# KiCad board neotron-pico.kicad_pcb (continued)
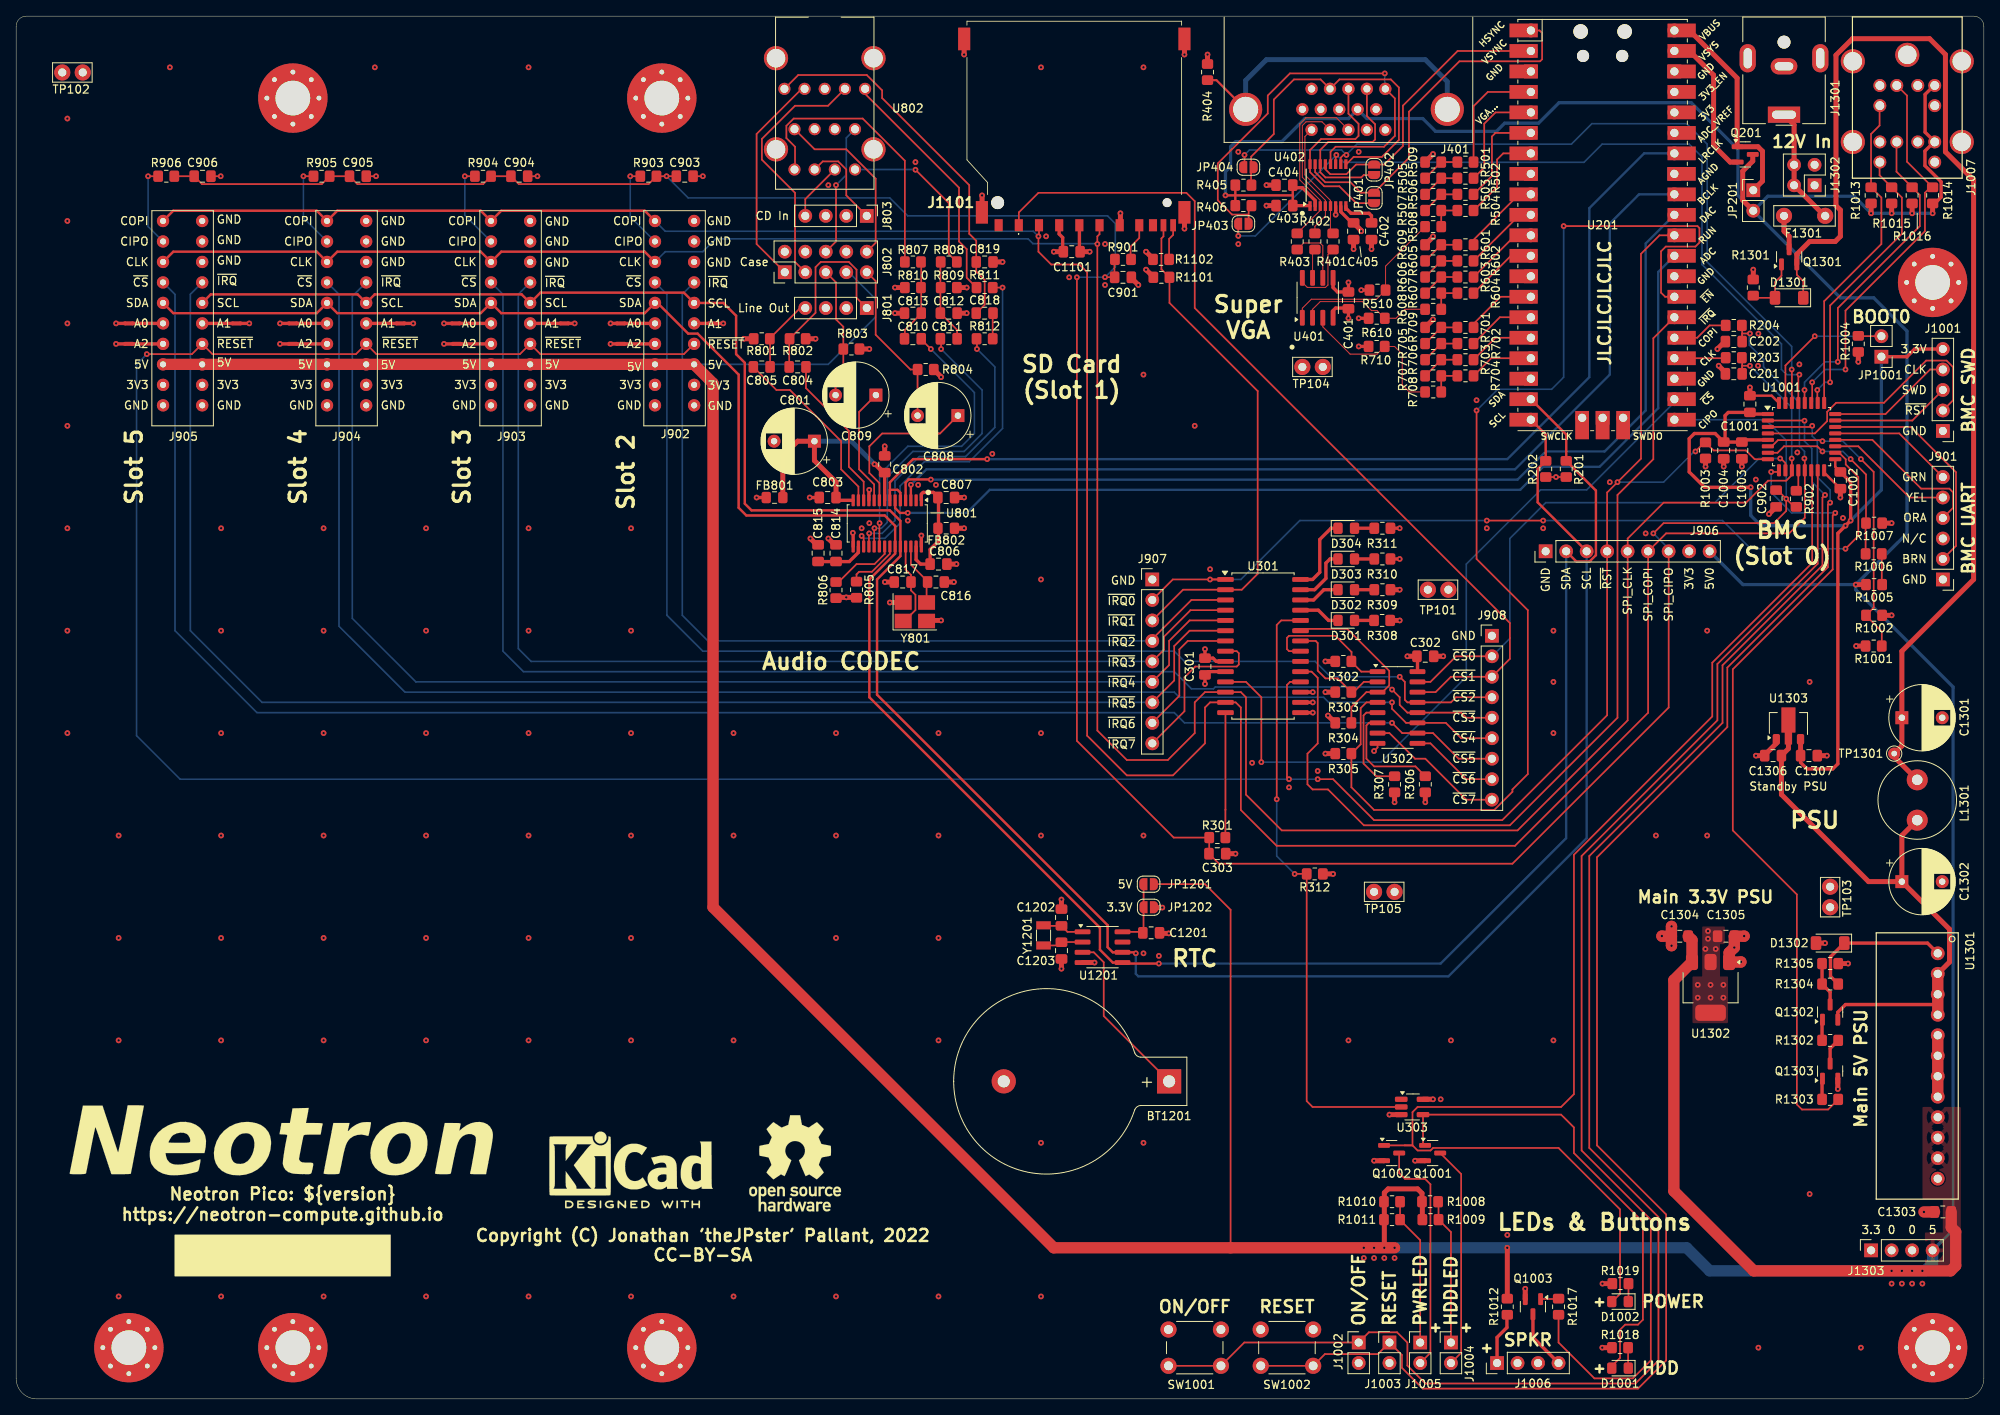
[diagram p0: board, top side]
## Routing (per net, layer and track width the routed paths; a pad name or vN(x,y) marks a point on that pad's centre or on a via; arc(x,y) is an arc through that point) (continued)
+5V: length 822.7
  Top w0.203: 140.98,63.82 147.32,63.82 150.5,60.64 150.5,18.73
  Top w0.293: v1(149.86,149.22) 158.2,149.22 ; 151.08,149.95 R406.1 ; 158.2,150.18 C403.2
  Top w0.406: C403.2 160.28,147.95 U402.1 ; 237.72,162.9 236.56,161.75 236.56,157.06 237.72,155.9 236.54,154.72 236.54,152.91 238.55,150.9 238.55,149.01 237.49,147.95 v1(237.49,147) ; U402.2 160.97,148.59 159.38,150.18 158.2,150.18
  Top w0.61: R1008.1 174.21,25.5 173.67,26.03 170.02,26.03 169.54,25.56 v1(169.54,18.73) ; R1009.1 174.26,24.4 ; JP201.2 213.96,148.63 213.96,152.24 215.2,153.48 Q201.3 ; v1(232.41,147) R1015.1 ; v1(229.87,147) R1013.1 ; v1(227.97,100.96) R1005.1 ; v1(237.49,147) R1014.1 ; v1(234.95,147) R1016.1 ; v1(184.78,18.73) R1012.2
  Top w1.397: v1(170.81,18.73) 128.59,18.73 86.36,60.96 86.36,125.93 J902.16 J905.15 ; C1303.1 239.8,21.27 240.35,20.72 240.35,16.51 239.71,15.88 215.32,15.88 205.42,25.77 205.42,51.92 U1302.3 207.67,56.89 C1304.1
  Bottom w0.203: 103.17,139.7 106.51,136.36 106.51,134.15 100.63,128.27 J902.16
  Bottom w0.406: JP201.2 213.36,149.22 213.36,154.94 207.58,160.72 191.2,160.72 188.66,158.18 184.45,158.18 183.44,157.16 175.89,157.16 174.31,158.75 167.39,158.75 J401.9 165.1,158.75 159.7,158.75 156.84,155.89 151.13,155.89 150.5,155.26 150.5,152.81 149.86,152.17 v1(149.86,149.22) ; JP201.2 217.06,149.12 227.75,149.12 v1(229.87,147) v1(237.49,147) ; JP201.2 226.06,136.52 230.19,136.52 234.31,132.4 234.31,107.31 v1(227.97,100.96) ; J906.9 213.98,100.96 v1(227.97,100.96) ; v1(227.97,100.96) 227.97,100.33 240.03,88.27 240.03,20.95 J1303.4
  Bottom w1.397: J1303.4 237.49,16.83 236.54,15.88 v1(236.22,15.88) v1(234.95,15.88) v1(233.68,15.88) v1(232.41,15.88) 209.87,15.88 207.01,18.73 166.69,18.73
  vias: v1(167,18.73) v1(168.28,18.73)
/Audio/3V3_ANALOG: length 35
  Top w0.406: U801.8 107.62,114.62 v1(106.36,115.89) 106.59,115.89 C802.1 ; U801.14 101.95,111.41
  Top w0.61: FB801.1 95,116.91 96.84,118.74 C801.1 98.92,116.34 101.6,113.66 C803.1
  Bottom w0.61: v1(106.36,115.89) 103.5,118.74 C801.1
/Audio/3V3_DIGITAL: length 14.6
  Top w0.406: 114.3,111.27 114.3,106.36 113.26,105.32 C806.1 112.08,103.5 111.53,104.06 U801.27 ; 113.98,112.08 113.66,112.39 112.39,112.39 112.17,112.17 U801.1
GND: length 148.4
  Top w0.203: 43.35,151.6 v1(44.6,151.6) ; 168.7,81.28 168.7,80.76 v1(168.28,80.33) ; C904.2 v1(64.6,151.6) ; C903.2 v1(85.1,151.6) ; C906.2 v1(25.35,151.6)
  Top w0.293: 224.05,114.87 C1002.1 ; 218.45,123.48 217.55,124.39 C1001.1
  Top w0.406: C401.2 v1(165.1,138.43) ; J1101.3 129.25,144.43 129.69,144 129.69,142.24 ; v1(160.68,87.63) U301.17 ; v1(28.89,133.35) NT908.2 ; v1(163.52,146.83) 163.51,146.83 U402.6 ; U801.15 103.72,107.34 v1(103.69,107.38) ; 147.6,90.04 147.72,90.17 U301.10 ; v1(105.72,112.71) 105.67,112.67 U801.11 ; 99.42,111.76 v1(98.34,111.76) ; 165.2,137.25 163.75,137.25 163.19,137.79 U401.5 ; U301.15 v1(160.68,85.09) ; v1(160.68,86.36) U301.16 ; v1(53.02,130.81) NT910.2 ; NT907.2 v1(49.21,133.35) ; NT901.2 v1(73.66,133.35) ; R610.2 v1(166.37,133.98) ; NT909.2 v1(73.66,130.81) ; v1(32.7,133.35) NT903.2 ; R510.2 v1(166.69,137.48) ; R710.2 v1(166.37,130.49) ; 112.17,106.9 U801.28 ; 147.32,89.53 v1(147.32,88.65)
  Top w0.61: v1(105.73,130.18) R803.2 ; 104.09,99.38 v1(102.87,99.38) 101.69,99.38 ; v1(107.63,118.11) 107.63,116.92 ; v1(142.84,57.72) 141.76,57.72 ; R804.1 114.62,126.73 v1(114.62,126.68) ; R609.2 175.58,144.08 v1(175.58,144.14) ; v1(90.17,131.44) R801.2 ; v1(196.56,6.35) R1018.2 ; 216.68,79.84 218.12,81.28 218.12,81.91 ; 101.43,105.9 v1(100.65,106.68) ; v1(129.53,53.34) 129.53,54.54 ; v1(117.79,137.79) R809.2 ; v1(144.78,145.1) 144.78,147.12 ; v1(151.1,67.6) C303.2 ; v1(108.9,134.62) C813.1 ; v1(175.58,133.85) 175.58,133.83 R709.2 ; v1(210.98,128.1) 211.81,127.27 ; R509.2 175.58,154.33 v1(175.58,154.35) ; v1(173.35,29.53) 174.59,29.53 Q1001.2 ; v1(226.06,111.76) C1002.1 ; 112.9,96.52 v1(114.62,96.52) ; v1(154.94,147.95) C403.1 ; v1(225.74,38.42) 225.74,39.7 Q1303.2 ; v1(215.26,140.02) R1301.2 ; v1(139.06,138.11) 138.17,139 ; v1(170.18,35.24) 171.64,35.24 ; v1(187.01,13.65) 187.01,12.37 Q1003.2 ; 99.21,105.9 v1(98.43,106.68) ; v1(232.41,97.16) R1002.2 ; v1(167.96,142.56) C402.1 ; v1(209.35,115.6) R1003.2 ; v1(119.7,149.22) 119.7,147.14 ; v1(217.21,109.71) C902.2 ; v1(147.64,166.69) R404.1 ; v1(117.47,111.76) C807.2 ; v1(154.94,150.5) C404.1 ; v1(210.82,130.18) 211.75,131.1 ; v1(176.85,92.07) C302.2 ; v1(116.2,101.28) C816.1 ; v1(170.81,73.98) R307.2 ; v1(99.06,131.44) R802.1 ; v1(133.64,54.1) U1201.4 ; v1(117.79,134.62) C812.1 ; v1(165.73,142.56) C405.1 ; C1307.1 v1(224.38,79.75) ; v1(116.52,103.5) C806.2 ; v1(108.9,137.79) R810.1 ; v1(228.28,128.59) R1004.2 ; v1(144.78,166.69) 144.78,168.62 ; v1(214.85,125.41) C1001.1 ; v1(213.85,115.6) C1003.2 ; v1(136.84,147) 136.84,145.61 ; v1(168.28,29.53) 169.51,29.53 Q1002.2 ; v1(232.41,108.58) R1007.2 ; v1(117.47,166.69) 117.47,168.62 ; v1(108.27,98.74) Y801.4 ; v1(122.24,140.97) C819.1 ; v1(196.58,14.29) R1019.2 ; v1(227.01,53.97) R1305.2 ; v1(128.59,142.24) C1101.1 ; v1(129.53,61.91) 129.53,60.73 ; v1(211.6,115.6) C1004.1 ; v1(215.59,79.75) C1306.1 ; v1(224.16,56.51) D1302.2 ; v1(107.65,101.28) C817.2
  Top w1.397: 238.12,45.09 238.12,37.47 ; v1(213.74,54.19) 213.72,54.17 U1302.1 212.27,55.32 v1(212.91,55.97) C1305.2 214.12,57.37 v1(214.14,57.39) ; C1304.2 205.12,58.57 v1(205.14,58.59) ; C1304.2 205.12,56.2 v1(205.14,56.19) ; C1304.2 203.96,57.37 v1(203.94,57.39) ; C1303.2 v1(236.41,23.18)
  vias: v1(6.35,158.75) v1(6.35,146.05) v1(6.35,133.35) v1(6.35,120.65) v1(6.35,107.95) v1(6.35,95.25) v1(6.35,82.55) v1(12.7,69.85) v1(12.7,57.15) v1(12.7,44.45) v1(12.7,12.7) v1(19.05,165.1) v1(25.4,107.95) v1(25.4,95.25) v1(25.4,82.55) v1(25.4,69.85) v1(25.4,57.15) v1(25.4,44.45) v1(25.4,12.7) v1(38.1,107.95) v1(38.1,95.25) v1(38.1,82.55) v1(38.1,69.85) v1(38.1,57.15) v1(38.1,44.45) v1(38.1,12.7) v1(44.45,165.1) v1(50.8,107.95) v1(50.8,95.25) v1(50.8,82.55) v1(50.8,69.85) v1(50.8,57.15) v1(50.8,44.45) v1(50.8,12.7) v1(63.5,165.1) v1(63.5,107.95) v1(63.5,95.25) v1(63.5,82.55) v1(63.5,69.85) v1(63.5,57.15) v1(63.5,44.45) v1(63.5,12.7) v1(76.2,107.95) v1(76.2,95.25) v1(76.2,82.55) v1(76.2,69.85) v1(76.2,57.15) v1(76.2,44.45) v1(76.2,12.7) v1(88.9,82.55) v1(88.9,69.85) v1(88.9,44.45) v1(88.9,12.7) v1(100.65,150.5) v1(101.6,82.55) v1(101.6,69.85) v1(101.6,57.15) v1(101.6,12.7) v1(104.78,107.95) v1(105.73,108.58) v1(110.49,108.9) v1(111.44,153.35) v1(111.78,113.33) v1(112.17,107.05) v1(113.98,113.33) v1(114.3,82.55) v1(114.3,69.85) v1(114.3,57.15) v1(114.3,44.45) v1(114.3,12.7) v1(120.97,117.18) v1(127,165.1) v1(127,101.6) v1(127,82.55) v1(127,69.85) v1(127,31.75) v1(127,12.7) v1(127.63,144.14) v1(130.49,139.06) v1(134.94,143.19) v1(134.94,138.11) v1(139.7,165.1) v1(139.7,127) v1(139.7,69.85) v1(139.7,55.25) v1(139.7,31.75) v1(141.6,54.93) v1(146.05,120.65) v1(147.95,102.87) v1(151.45,154.62) v1(151.45,143.19) v1(153.16,78.87) v1(157.73,75.82) v1(161.29,77.85) v1(165.1,44.45) v1(166.37,154.62) v1(167,17.46) v1(168.28,17.46) v1(169.54,17.46) v1(170.81,17.46) v1(176.53,37.15) v1(177.8,44.45) v1(180.97,123.82) v1(182.25,107.95) v1(184.78,20.32) v1(189.23,107.95) v1(190.5,95.25) v1(190.5,88.9) v1(190.5,82.55) v1(190.5,44.45) v1(197.48,113.66) v1(201.93,107.31) v1(203.2,69.85) v1(209.55,95.25) v1(209.55,69.85) v1(215.58,113.98) v1(215.85,128.1) v1(215.9,132.08) v1(215.9,6.35) v1(220.73,117.35) v1(220.98,128.27) v1(222.25,88.9) v1(222.25,25.4) v1(226.38,109.22) v1(228.6,6.35) v1(232.41,14.29) v1(233.68,14.29) v1(234.95,14.29) v1(236.22,14.29)
/Audio/AUDIO_ADC_DATA: length 120.9
  Top w0.293: U801.6 108.92,110.46 109.53,109.85 v1(110.49,109.85)
  Bottom w0.293: U201.29 203.49,139.73 203.49,122.84 196.22,115.57 189.23,115.57 186.37,112.71 120.65,112.71 117.79,109.85 v1(110.49,109.85)
/Audio/AUDIO_ADC_LR: length 132.3
  Top w0.293: 108.28,111.41 108.28,113.65 111.15,116.52 v1(120.33,116.52) ; 108.27,111.42 108.27,112.71 109.22,112.71 109.57,112.36 U801.5
  Bottom w0.293: U201.34 201.74,154.43 194.94,147.64 194.94,126.68 184.78,116.52 v1(120.33,116.52)
/Audio/AUDIO_BIT_CLK: length 122.4
  Top w0.293: U801.3 110.88,113.34 v1(110.88,113.35)
  Bottom w0.293: v1(110.88,113.35) 112.78,115.25 185.74,115.25 197.48,127 197.48,145.73 201.1,149.35 U201.32
/Audio/AUDIO_DAC_DAT: length 123.4
  Top w0.293: U801.4 110.22,113.62 110.61,114 113.33,114 v1(113.35,113.98)
  Bottom w0.293: U201.31 201.93,143.26 201.93,122.55 196.85,117.47 189.55,117.47 186.06,113.98 v1(113.35,113.98)
/Audio/CDInL: length 11.5
  Top w0.203: U802.34 99.96,153.44 101.87,153.44 102.87,152.44 102.87,149.22 J803.1
/Audio/CDInR: length 7.3
  Top w0.203: J803.4 97.79,148.77 U802.33
/Audio/FrontHPL: length 20.9
  Top w0.203: 111.7,127.63 C808.2 ; J802.9 106.51,138.6 106.51,131.94 110.82,127.63 R804.2
/Audio/FrontHPR: length 16.5
  Top w0.203: J802.5 101.6,138.43 101.6,133.84 102.5,132.93 R803.1 102.5,128.22 101.54,127.26 C809.2
/Audio/FrontMicAudio: length 26.5
  Top w0.203: J802.1 91.76,143.19 91.76,156.84 97.35,162.43
/Audio/FrontMicBias: length 31.6
  Top w0.203: J802.3 96.52,140.97 96.52,149.54 92.41,153.65 92.41,156.23 96.52,160.34 100.61,160.34 U802.3
/Audio/LHpOut: length 19.8
  Top w0.203: U801.9 106.97,113.55 105.73,114.8 105.73,118.11 107.31,119.7 114.48,119.7 C808.1
/Audio/LineOutL: length 24.7
  Top w0.203: R802.2 99.06,134.67 99.06,140.32 99.71,140.97 103.19,140.97 104.14,140.02 104.14,136.52 J801.1 ; C804.2 95.8,131.41
/Audio/LineOutR: length 8.8
  Top w0.203: 93.39,131.49 97.16,135.25 ; C805.1 93.43,131.41
/Audio/LLineIn: length 37.1
  Top w0.203: U801.20 106.97,108.56 v1(107,108.58) ; v1(113.35,130.18) 112.2,131.32
  Bottom w0.203: v1(113.35,130.18) 118.75,124.78 118.75,119.7 117.16,118.11 110.49,118.11 107,114.62 v1(107,108.58)
/Audio/LOut: length 19.5
  Top w0.203: 105.03,111.41 105.03,113.73 103.19,115.57 103.19,120.02 97.88,125.33 97.88,127.95
/Audio/MicBias: length 46
  Top w0.203: v1(122.24,137.79) R811.2 ; 105.03,105.69 105.03,106.75 v1(104.78,107)
  Bottom w0.203: v1(122.24,137.79) 122.24,120.33 118.11,116.2 112.55,116.2 109.54,113.19 109.54,108.58 107.66,106.71 105.07,106.71 v1(104.78,107)
/Audio/MicIn: length 37.4
  Top w0.203: v1(119.06,130.18) 119.06,131.4 ; v1(105.72,107.31) 105.67,107.27 U801.18
  Bottom w0.203: v1(119.06,130.18) 121.28,127.95 121.28,120.47 117.66,116.84 111.92,116.84 108.9,113.82 108.9,108.9 107.31,107.31 v1(105.72,107.31)
/Audio/RearHPL: length 22.1
  Top w0.203: U802.25 98.95,154.94 102.87,154.94 106.51,151.3 106.51,143.34 J802.10
/Audio/RearHPR: length 16.7
  Top w0.203: J802.6 101.6,143.51 v1(101.6,150.5)
  Bottom w0.203: v1(101.6,150.5) 102.87,151.76 102.87,156.35 U802.22
/Audio/RearInL: length 35.6
  Top w0.203: 96.52,152.5 96.52,155.26 95.45,156.33 95.45,157.85 96.35,158.75 104.91,158.75 110.12,153.53 R807.1
/Audio/RearInR: length 21.1
  Top w0.203: R808.1 115.57,141.97 115.57,148.27 v1(111.44,152.4)
  Bottom w0.203: U802.32 111.41,152.43 v1(111.44,152.4)
/Audio/RearMicAudio: length 46.9
  Top w0.203: C818.1 120.01,135.66 120.01,138.75 118.98,139.78 C819.2 118.98,143.59 118.11,144.46 118.11,150.5 107.31,161.29 107.31,162.24 105.41,164.15 96.92,164.15 U802.5
/Audio/RearMicBias: length 29.7
  Top w0.203: R811.1 117.79,139.02 117.79,142.56 116.84,143.51 116.84,150.18 105.2,161.81
/Audio/RHpOut: length 14.7
  Top w0.203: U801.10 106.32,113.38 104.46,115.25 104.46,122.37 C809.1
/Audio/RLineIn: length 37.5
  Top w0.203: U801.19 106.32,107.91 v1(106.36,107.95) ; v1(114.62,130.18) 114.62,131.36
  Bottom w0.203: v1(114.62,130.18) 119.7,125.09 119.7,119.7 117.47,117.47 111.12,117.47 107.95,114.3 107.95,108.68 107.22,107.95 v1(106.36,107.95)
/Audio/ROut: length 22.9
  Top w0.203: C805.2 94.21,125.09 95.88,125.09 102.24,118.74 102.24,115.25 104.38,113.11 U801.13
/Audio/VMID: length 6.2
  Top w0.406: C815.1 103.24,103.82 104.38,104.96 U801.16
/BLUE0: length 8.5
  Top w0.203: U201.14 183.96,136.65 180.6,133.29
/BLUE1: length 8.5
  Top w0.203: R702.1 183.86,134.11 U201.15
/BLUE2: length 8.2
  Top w0.203: R703.1 183.32,131.57 U201.16
/BLUE3: length 8
  Top w0.203: U201.17 182.78,129.03 R704.1
/GREEN0: length 8.6
  Top w0.203: 186.24,149.35 180.6,143.71 R601.1
/GREEN1: length 8.1
  Top w0.203: R602.1 186.31,146.81
/GREEN2: length 7.3
  Top w0.203: R603.1 185.77,144.27
/GREEN3: length 6.6
  Top w0.203: R604.1 185.23,141.73
/IO Expander/CS_SEL0: length 16.2
  Top w0.203: 165.48,91.46 165.48,92.61 163.47,94.61 157.73,94.61 157.48,94.36 157.48,92.96 157.73,92.71 U301.21 ; 165.42,91.44 166.69,90.17 167.85,90.17
/IO Expander/CS_SEL1: length 14.8
  Top w0.203: 168.7,88.9 167,88.9 165.83,87.72 ; 158.67,93.98 161.04,93.98 161.29,93.73 161.29,90.3 162.26,89.33 163.76,89.33 R303.2
/IO Expander/CS_SEL2: length 22.1
  Top w0.203: 169.32,87.63 170.15,88.47 170.15,90.27 164.95,95.48 158.45,95.48 ; R304.2 165.47,85.77 167.32,87.63 167.96,87.63
/IO Expander/E2: length 12.3
  Top w0.203: 168.7,85.09 167.32,85.09 166.97,84.73 166.97,78.78 168.54,77.2 R307.1
/IO Expander/E3: length 13.1
  Top w0.203: 167.96,83.82 167.64,83.82 167.32,83.5 167.32,79.38 168.28,78.42 173.4,78.42 R306.2
/IO Expander/HDD_LED: length 58.9
  Top w0.203: Q1001.1 174.34,31.68 U303.4 191.45,35.25 193.04,33.66 193.04,30.48 201.59,21.93 201.59,9.82 200.98,9.21 199.39,9.21 198.75,8.57 198.75,5.08 197.73,4.06
/IO Expander/~{CS0}: length 65.5
  Top w0.203: U1001.10 219.25,116.03 218.68,116.6 v1(218.6,116.6) ; U302.15 175.26,88.9 178.44,92.07 J908.2
  Bottom w0.203: J908.2 185.1,94.3 185.1,106.68 189.55,111.12 210.5,111.12 215.98,116.6 v1(218.6,116.6)
/IO Expander/~{CS1}: length 110.9
  Top w0.203: J1101.1 124.25,147.11 126.68,149.54 145.01,149.54 146.05,148.51 146.05,135.25 185.1,96.2 185.1,91.76 J908.3 177.8,89.53 175.89,87.63 U302.14
/IO Expander/~{CS2}: length 150.2
  Top w0.203: J908.4 178.44,86.99 177.8,86.36 U302.13 172.4,86.36 172.09,86.68 172.09,88.9 v1(171.45,89.53)
  Bottom w0.203: J902.7 80.65,136.95 80.65,97.16 85.09,92.71 143.51,92.71 144.78,91.44 160.97,91.44 162.88,89.53 v1(171.45,89.53)
/IO Expander/~{CS3}: length 173.1
  Top w0.203: v1(170.5,87.95) 171.45,86.99 171.45,86.04 172.4,85.09 U302.12 179.07,85.09 179.7,84.45 J908.5
  Bottom w0.203: J903.7 60.32,136.95 60.32,92.71 62.87,90.17 143.51,90.17 145.64,88.04 148.36,88.04 148.59,88.27 170.18,88.27 v1(170.5,87.95)
/IO Expander/~{CS4}: length 191.7
  Top w0.203: 173.04,83.82 172.24,83.82 170.5,85.57 v1(170.5,86.36) ; J908.6 179.07,81.91 177.16,83.82 U302.11
  Bottom w0.203: v1(170.5,86.36) 162.65,86.36 162.02,86.99 144.14,86.99 143.51,87.63 48.18,87.63 40.01,95.81 40.01,136.95 J904.7
/IO Expander/~{CS5}: length 213.6
  Top w0.203: J908.7 178.75,79.38 175.58,82.55 U302.10 171.77,82.55 v1(170.5,83.82)
  Bottom w0.203: v1(170.5,83.82) 144.78,83.82 143.51,85.09 29.84,85.09 19.69,95.25 19.69,136.95 J905.7
/IO Expander/~{CS6}: length 11.1
  Top w0.203: J908.8 179.7,76.83 175.26,81.28 U302.9
/IO Expander/~{CS7}: length 17.6
  Top w0.203: 168.7,82.55 170.18,82.55 173.35,79.38 174.62,79.38 179.7,74.29 J908.9
/IO Expander/~{IRQ0}: length 108.8
  Top w0.203: v1(226.69,105.41) 228.28,107 228.28,114.3 226.72,115.86 226.72,116.5 225.91,117.31 ; J907.2 143.33,101.6 U301.1 v1(147.95,101.6) ; v1(189.23,108.9) v1(182.25,108.9)
  Bottom w0.203: v1(182.25,108.9) 159.07,108.9 151.77,101.6 v1(147.95,101.6) ; v1(189.23,108.9) 211.45,108.9 214.95,105.41 v1(226.69,105.41)
/IO Expander/~{IRQ1}: length 63.7
  Top w0.203: J907.3 144.6,100.33 U301.2 151.88,100.33 153.85,102.3 153.85,124.96 142.92,135.89 R1101.1 141.92,140.06 141.92,143.89 142.18,144.14 J1101.10
/IO Expander/~{IRQ2}: length 112.5
  Top w0.203: 140.79,94.21 145.64,99.06 U301.3
  Bottom w0.203: J902.8 82.55,136.96 82.55,97.16 85.72,93.98 J907.4
/IO Expander/~{IRQ3}: length 137.9
  Top w0.203: U301.4 145.52,97.79 142.24,94.51 142.24,92.89 J907.5
  Bottom w0.203: J907.5 63.82,91.44 62.23,93.03 62.23,136.96 J903.8
/IO Expander/~{IRQ4}: length 158.7
  Top w0.203: U301.5 145.41,96.52 142.88,93.98 142.88,90.98 J907.6
  Bottom w0.203: J904.8 41.66,136.71 41.66,96.77 49.53,88.9 J907.6
/IO Expander/~{IRQ5}: length 182.7
  Top w0.203: U301.6 145.41,95.25 143.51,93.34 143.51,89.08 J907.7
  Bottom w0.203: 141.61,86.36 30.48,86.36 21.59,95.25 21.59,136.96 J905.8
/IO Expander/~{IRQ6}: length 16.7
  Top w0.203: J907.8 144.14,87.17 144.14,92.94 145.19,93.98 U301.7
/IO Expander/~{IRQ7}: length 20.4
  Top w0.203: U301.8 151.26,92.71 151.51,92.46 151.51,91.06 151.26,90.8 146.12,90.8 144.78,89.46 144.78,85.27 J907.9
/IO Expander/~{IRQ_IO}: length 115.3
  Top w0.203: U201.26 202.88,131.51 202.88,116.52 198.44,112.08 198.44,84.45 185.1,71.12 167,71.12 162.56,75.56 160.66,75.56 160.02,76.2 160.02,80 161.29,81.27 161.29,89.41 160.53,90.17 158.67,90.17
/IO Expander/~{LED0}: length 76.7
  Top w0.203: v1(158.43,65.09) 158.44,65.1 159.84,65.1 ; v1(156.21,74.35) 156.21,95.96 156.77,96.52 U301.24 ; U303.2 160.66,36.19 159.92,36.92 159.92,65.18
  Bottom w0.203: v1(158.43,65.09) 156.21,67.31 v1(156.21,74.35)
/IO Expander/~{LED1}: length 5.7
  Top w0.406: D301.1 162.64,96.52 161.37,97.79 158.67,97.79
/IO Expander/~{LED2}: length 5.7
  Top w0.406: D302.1 162.05,100.33 160.78,99.06 158.67,99.06
/IO Expander/~{LED3}: length 7.8
  Top w0.406: D303.1 162.81,104.14 162.31,103.63 162.31,101.73 160.91,100.33 158.67,100.33
/IO Expander/~{LED4}: length 10.1
  Top w0.406: 158.67,101.6 160.66,101.6 161.54,102.49 161.54,106.55 162.94,107.95 D304.1
/IO Expander/~{OUTPUT_EN}: length 146.8
  Top w0.203: v1(191.77,145.41) 208.35,145.41 208.6,145.17 208.6,143.38 208.1,142.88 204.42,142.88 203.84,142.29 203.84,137.16 204.34,136.65 U201.27 ; v1(180.97,122.55) 180.97,104.14 187.32,97.79 187.32,77.47 185.42,75.56 185.42,75.27 183.17,73.02 168.28,73.02 165.47,75.83 R305.2 166.61,81.16 166.61,85.65 167.32,86.36 167.88,86.36
  Bottom w0.203: v1(191.77,145.41) 191.77,126.68 190.27,125.19 183.61,125.19 v1(180.97,122.55)
/IO Expander/~{SPI_CS}: length 91.1
  Top w0.203: v1(154.31,78.95) 154.31,86.99 152.4,88.9 U301.11
  Bottom w0.203: 205.49,123.57 194.63,112.71 188.91,112.71 179.7,103.5 179.7,89.53 169.12,78.95 v1(154.31,78.95)
/Power Supply/DC_ON: length 100.4
  Top w0.203: v1(217.49,114.93) 218.25,114.93 U1001.9 ; v1(225.42,109.85) 225.11,109.54 225.11,102.84 212.72,90.46 212.72,70.48 220.66,62.55 220.66,36.51 221.3,35.88 224.53,35.88 R1303.2
  Bottom w0.203: v1(217.49,114.93) 217.49,112.39 220.03,109.85 v1(225.42,109.85)
/Power Supply/PSU_CTRL: length 18.3
  Top w0.406: R1304.1 224.83,52.39 224.83,54.81 D1302.1 236.85,56.51 238.12,55.25
/Real Time Clock/BATT_PWR: length 21.3
  Top w0.203: BT1201.1 134.78,47.47 134.78,54.14 133.54,55.37 U1201.3
/RED0: length 14.8
  Top w0.203: U201.4 182.37,162.05 180.6,160.28 R501.1
/RED1: length 13.7
  Top w0.203: R502.1 181.93,152.68 181.93,158.12 183.32,159.51 U201.5
/RED2: length 13.1
  Top w0.203: U201.6 183.32,156.97 182.88,156.53 182.88,151.63 R503.1
/RED3: length 12
  Top w0.203: U201.7 184.28,154.43 183.51,153.67 183.51,150.26 R504.1
/Slots and Peripherals/BMC/BUZZER: length 143.4
  Top w0.203: 191.13,10.16 191.13,6.98 195.58,2.54 200.34,2.54 202.56,4.76 202.56,22.22 193.99,30.8 193.99,67.31 210.82,84.14 210.82,91.12 223.25,103.55 U1001.15
/Slots and Peripherals/BMC/LED0: length 160.1
  Top w0.203: Q1002.1 172.08,31.43 ; 172.08,31.43 173.04,31.43 173.67,30.8 175.27,30.8 175.59,31.11 191.13,31.11 198.75,23.5 198.75,13.02 197.8,12.06 ; 172.08,31.43 173.03,31.43 173.04,31.43 173.04,35.56 173.68,36.19 191.45,36.19 193.04,37.78 193.04,67.47 210.19,84.61 210.19,91.28 222.57,103.66 222.57,115.02
/Slots and Peripherals/BMC/MON_3V3: length 37.3
  Top w0.203: 217.56,118.11 218.32,118.87 223.71,118.87 v1(223.84,118.74) ; 229.19,97.16 231.19,95.16 231.19,93.41 ; R1002.1 230.19,98.11 230.19,114.93 v1(228.6,116.52)
  Bottom w0.203: v1(228.6,116.52) 226.38,118.74 v1(223.84,118.74)
/Slots and Peripherals/BMC/MON_5V: length 23.8
  Top w0.203: 229.19,108.58 R1006.2 ; U1001.7 218.28,117.31 219.07,118.11 223.2,118.11 v1(223.84,117.47) ; v1(227.33,116.52) 229.23,114.62 R1007.1
  Bottom w0.203: v1(227.33,116.52) 226.38,117.47 v1(223.84,117.47)
/Slots and Peripherals/BMC/PS2_CLK0: length 40.8
  Top w0.203: R1013.2 231.14,148.95 231.14,143.19 224.05,136.1 224.05,123.48 ; 230.91,160.4 230.91,157.89 229.86,156.84 229.86,150.23
/Slots and Peripherals/BMC/PS2_CLK1: length 35.7
  Top w0.203: v1(223.2,125.09) 223.2,123.53 ; v1(224.79,126.05) 224.79,135.57 233.68,144.46 233.68,148.95 R1015.2 230.91,151.72 230.91,153.4
  Bottom w0.203: v1(224.79,126.05) 224.16,126.05 v1(223.2,125.09)
/Slots and Peripherals/BMC/PS2_DAT0: length 48.7
  Top w0.203: v1(222.57,126.05) 222.57,123.6 ; v1(226.69,127.63) 226.69,134.94 236.54,144.78 236.54,149.54 237.22,150.22 ; 233.02,162.9 234.31,161.6 234.31,153.4 R1014.2
  Bottom w0.203: v1(222.57,126.05) 224.16,127.63 v1(226.69,127.63)
/Slots and Peripherals/BMC/PS2_DAT1: length 40.4
  Top w0.203: v1(221.61,125.09) 221.61,123.52 ; v1(225.74,128.59) 225.74,135.25 235.9,145.42 235.9,149.27 R1016.2 233.02,152.16 233.02,155.9
  Bottom w0.203: v1(221.61,125.09) 221.61,126.05 224.16,128.59 v1(225.74,128.59)
/Slots and Peripherals/BMC/SPK_N: length 7.4
  Top w0.406: J1006.4 187.96,7.62 Q1003.3
/Slots and Peripherals/BMC/SPK_P: length 6.5
  Top w0.406: J1006.1 183.51,7.62 184.74,8.84 184.74,10.43
/Slots and Peripherals/BMC/SWCLK: length 15.6
  Top w0.203: 238.76,127.63 237.17,127.63 231.65,122.11 225.42,122.11
/Slots and Peripherals/BMC/SWDIO: length 14.9
  Top w0.203: 225.42,121.31 234.97,121.31 J1001.3
/Slots and Peripherals/BMC/~{BMC_RST}: length 33.6
  Top w0.203: 238.76,122.55 240.03,123.82 240.03,127.93 239.22,128.74 236.69,128.74 231.46,123.51 225.54,123.51 224.42,122.39 224.42,121.23 222.9,119.71 U1001.4
/Slots and Peripherals/BMC/~{BUTTON_PWR}: length 205.7
  Top w0.203: v1(221.61,121.28) 221.59,121.31 U1001.2 ; v1(224.16,112.08) 223.84,111.76 223.84,103.35 211.45,90.96 211.45,83.82 194.94,67.31 194.94,31.11 203.52,22.54 203.52,4.76 200.66,1.91 174.62,1.91 172.4,4.13 172.4,6.97 171.12,8.25 167.63,8.25 J1002.1 152.19,6.99 SW1001.2 SW1001.2
  Bottom w0.203: v1(221.61,121.28) 221.61,118.74 222.53,117.83 222.53,113.7 v1(224.16,112.08)
/Slots and Peripherals/BMC/~{BUTTON_RST}: length 194.1
  Top w0.203: v1(224.79,111.12) 224.51,110.85 224.51,103.13 212.05,90.68 212.05,83.31 195.9,67.15 195.9,31.43 204.47,22.86 204.47,4.76 200.98,1.27 174.31,1.27 171.73,3.85 171.73,5.44 J1003.1 168.74,5.55 162.18,5.55 SW1002.2 SW1002.2 ; U1001.3 222.43,120.51 v1(222.57,120.65)
  Bottom w0.203: v1(224.79,111.12) 224.79,112.71 223.2,114.3 223.2,118.74 222.57,119.38 v1(222.57,120.65)
/Slots and Peripherals/BMC_SCL: length 102.4
  Top w0.203: 220.85,123.48 220.85,126.87 v1(220.98,127) ; v1(151.45,144.2) 151.45,145.38 ; 163.51,153.09 163.51,154.15 v1(163.6,154.24)
  Bottom w0.203: v1(151.45,144.2) 153.56,144.2 v1(163.6,154.24) 164.51,153.33 194.29,153.33 196.53,155.57 207.33,155.57 208.91,153.99 208.91,140.65 218.76,130.81 218.76,127.63 219.39,127 v1(220.98,127)
/Slots and Peripherals/BMC_SDA: length 100
  Top w0.203: v1(164.85,154.24) 164.49,154.24 164.15,153.9 164.15,153.09 ; v1(220.03,127.63) 220.05,127.61 220.05,123.48 ; v1(152.22,154.24) 152.22,152.88
  Bottom w0.203: v1(220.03,127.63) 220.03,130.49 209.55,140.97 209.55,155.57 207.01,158.12 195.26,158.12 192.72,155.57 166.14,155.57 164.85,154.28 v1(164.85,154.24) 164.24,154.85 152.83,154.85 v1(152.22,154.24)
/Slots and Peripherals/FTDI_BRN: length 28.7
  Top w0.203: 225.42,120.51 234.77,120.51 240.39,114.9 240.39,105.77 J901.2
/Slots and Peripherals/FTDI_GRN: length 15.6
  Top w0.203: J901.6 233.35,119.71 225.42,119.71
/Slots and Peripherals/FTDI_ORA: length 21
  Top w0.203: 225.42,118.91 230.02,118.91 236.07,112.86 239.56,112.86 240.03,112.39 240.03,110.49 J901.4
/Slots and Peripherals/FTDI_YEL: length 16
  Top w0.203: 225.42,118.11 228.28,118.11 234.63,111.76 J901.5
/Slots and Peripherals/PICO_SCL: length 304.5
  Top w0.293: J905.10 24.12,136.95 42.32,136.95 J904.10 44.44,136.95 62.64,136.95 J903.10 64.97,137.16 82.75,137.16 J902.10 87.63,135.89 89.22,134.3 89.22,129.54 90.3,128.46 90.3,111 91.12,110.17 108.27,110.17 109.57,108.86 U801.24 109.57,104.49 106.68,101.6 106.68,87.31 135.25,58.74 135.25,56 135.89,55.37 U1201.6 138.62,55.37 v1(138.75,55.25) ; J906.3 188.55,111.16 188.55,115.3 R202.1 189.55,119.57 U201.20
  Bottom w0.293: v1(138.75,55.25) 138.75,52.7 139.06,52.39 177.48,52.39 194.62,69.52 J906.3
/Slots and Peripherals/PICO_SDA: length 307.9
  Top w0.293: U201.19 192.09,119.57 R201.1 195.77,112.62 195.77,104.62 194.97,103.82 193.35,103.82 J906.2 ; U1201.5 135.89,54.1 134.3,55.69 134.3,58.42 105.73,86.99 105.73,101.6 108.92,104.8 U801.23 108.92,108.24 107.63,109.54 90.49,109.54 89.53,110.49 89.53,127 84.46,132.08 83.28,132.08 79.47,135.89 ; v1(141.6,53.97) 137.22,53.97 ; J902.9 77.89,134.62 60.11,134.62 J903.9 57.57,134.62 39.79,134.62 J904.9 37.25,134.62 19.47,134.62 J905.9
  Bottom w0.293: J906.2 192.08,69.52 176.53,53.97 v1(141.6,53.97)
/Slots and Peripherals/SD Card/~{WRITE_PROTECT}: length 4.4
  Top w0.203: R1102.2 142.88,143.83 143.38,144.33 J1101.11
/Slots and Peripherals/SPI_CIPO: length 348.6
  Top w0.203: 218.28,112.67 v1(219.35,111.6) ; v1(219.35,111.6) 219.35,110.1 217.84,108.58 204.15,108.58 v1(202.88,107.31) ; v1(219.35,111.6) 220.35,110.6 ; J906.7 204.78,85.71 185.42,66.36 149.06,66.36 C303.1 ; v1(134.94,139.08) 136.1,139.08 136.1,141.08 ; 147.85,67.64 R301.2 143.44,69.6 131.44,81.6 v1(131.44,139.06) ; 81.56,151.6 v1(80.6,151.6) R903.2 78.37,150.62 62.29,150.62 C904.1 R904.2 57.87,150.62 42.29,150.62 C905.1 R905.2 37.87,150.62 23.04,150.62 C906.1 R906.2
  Bottom w0.203: v1(80.6,151.6) 83.29,148.91 108.27,148.91 110.49,146.69 135.25,146.69 136.21,145.73 136.21,140.35 v1(134.94,139.08) 131.46,139.08 v1(131.44,139.06) ; U201.21 216.79,121.41 219.35,118.85 219.35,111.85 ; v1(202.88,107.31) 204.78,105.42
/Slots and Peripherals/SPI_CIPO_S0: length 2
  Top w0.203: U1001.12 220.85,113.1
/Slots and Peripherals/SPI_CIPO_S1: length 4.6
  Top w0.203: J1101.7 139.18,143.94 138.1,142.86 138.1,141.35
/Slots and Peripherals/SPI_CIPO_S2: length 10.6
  Top w0.203: v1(76.1,151.6) R903.1
  Bottom w0.203: J902.3 76.1,146.57 v1(76.1,151.6)
/Slots and Peripherals/SPI_CIPO_S3: length 10.7
  Top w0.203: v1(55.6,151.6) R904.1
  Bottom w0.203: v1(55.6,151.6) 55.6,146.75 J903.3
/Slots and Peripherals/SPI_CIPO_S4: length 10.6
  Top w0.203: v1(35.6,151.6) R905.1
  Bottom w0.203: J904.3 35.6,146.43 v1(35.6,151.6)
/Slots and Peripherals/SPI_CIPO_S5: length 10.1
  Top w0.203: v1(16.35,151.6) R906.1
  Bottom w0.203: v1(16.35,151.6) 16.35,145.36 J905.3
/Slots and Peripherals/SPI_CLK: length 341.1
  Top w0.203: 220.05,114.55 219.35,113.85 217.1,113.85 214.38,111.12 204.15,111.12 199.7,106.67 J906.5 199.7,84.13 186.06,70.48 156.84,70.48 152.4,74.92 152.4,86.99 151.76,87.63 U301.12 147.32,87.63 146.05,86.36 146.05,82.55 142.72,79.22 137.64,79.22 133.98,82.87 v1(133.98,143.19) 133.98,144.14 134.25,144.41 J1101.5 ; v1(220.03,116.6) 220.05,116.58 U1001.11 ; v1(214.85,128.1) 213.89,128.1 C201.1 213.89,129.06
  Top w0.293: J902.5 77.89,142.24 60.11,142.24 J903.5 57.57,142.24 39.79,142.24 J904.5 37.25,142.24 19.47,142.24 J905.5
  Bottom w0.203: v1(214.85,128.1) 220.03,122.92 v1(220.03,116.6) ; J902.5 80.43,142.24 85.09,142.24 86.68,143.83 125.41,143.83 126,143.24 133.94,143.24 v1(133.98,143.19)
/Slots and Peripherals/SPI_COPI: length 350.6
  Top w0.203: 213.89,133.06 C202.1 213.89,132.1 v1(214.85,132.1) ; v1(221.6,116.6) 221.65,116.55 U1001.13 221.65,109.25 219.71,107.31 204.46,107.31 J906.6 202.24,85.08 185.74,68.58 156.2,68.58 151.76,73.02 151.76,85.72 151.13,86.36 U301.13 147.95,86.36 147.32,85.72 147.32,81.28 143.35,77.31 137.64,77.31 132.72,82.23 132.72,139.7 131.76,140.65 128.27,140.65 126.68,142.24 v1(126.68,144.14) 126.75,144.22 J1101.2
  Top w0.293: J905.1 19.47,147.32 37.25,147.32 J904.1 39.79,147.32 57.57,147.32 J903.1 60.11,147.32 77.89,147.32 J902.1
  Bottom w0.203: v1(221.6,116.6) 221.61,116.61 221.61,117.47 220.98,118.11 220.98,123.51 216.53,127.95 216.53,128.91 214.78,130.66 214.78,132.03 v1(214.85,132.1) ; J902.1 80.43,144.78 126.05,144.78 v1(126.68,144.14)
/Slots and Peripherals/~{RESET}: length 410.4
  Top w0.203: v1(16.19,129.54) 21.79,129.54 J905.14 24.33,129.54 42.11,129.54 J904.14 44.65,129.54 62.43,129.54 J903.14 64.97,129.54 82.75,129.54 J902.14 ; v1(161.29,76.83) 163.19,76.83 168.28,71.75 184.15,71.75 197.16,84.76 J906.4 197.16,112.38 v1(198.44,113.66) 201.35,116.58 201.35,141.98 203.64,144.27 U201.30 ; v1(208.1,117.47) 209.22,118.6 ; U1001.8 215.44,116.51 214.35,117.6 210.35,117.6 R1003.1 ; U301.18 157.86,88.9 157.48,88.52 157.48,77.09 v1(157.73,76.83)
  Bottom w0.203: v1(198.44,113.66) 204.15,113.66 207.96,117.47 v1(208.1,117.47) ; v1(161.29,76.83) v1(157.73,76.83) 20.32,76.83 14.92,82.23 14.92,128.27 v1(16.19,129.54)
/VGA_HSYNC: length 45.2
  Top w0.203: 160.97,153.09 160.97,152.1 162.23,150.85 165.35,150.85 166.64,149.56 JP401.1 172.6,153.88 172.6,159.6 178.85,165.85 188.85,165.85 189.1,166.1 189.1,169.35 188.78,169.67 U201.1
/VGA_VSYNC: length 35.6
  Top w0.203: U201.2 178.63,167.13 171.85,160.35 171.85,155.35 169.55,153.05 JP402.1 166.05,153.05 164.85,151.85 162.85,151.85 162.24,152.46 162.24,153.09
/Video/BLUE_ANA: length 20.2
  Top w0.114: R708.1 172.65,124.85 171.77,125.73 171.77,129.54 170.81,130.49 R710.1 168.64,129.54 165.31,129.54 161.92,132.93 U401.3
/Video/GREEN_ANA: length 16.7
  Top w0.114: U401.2 160.66,135.1 161.6,136.05 166.84,136.05 167.96,134.94 168.65,134.94 R610.1 170.98,133.98 172.1,135.1 R608.1
/Video/RED_ANA: length 22.3
  Top w0.114: U401.1 159.38,135.23 160.5,136.35 168.57,136.35 R510.1 169.7,140.45 R508.1
/Video/VGA_BLU: length 22.2
  Top w0.114: R403.1 161.61,147.37 ; J401.3 163.6,158.85 159.85,158.85 159.07,158.07 159.07,151.15 161.61,148.61 U402.3
/Video/VGA_DDC_SCL: length 56
  Top w0.203: 152.61,146.85 150.68,146.85 148.91,148.62 148.91,153.18 155.1,159.38 155.1,161.6 157.85,164.35 v1(169.6,164.35) ; JP403.2 152.73,147.6 ; 162.88,153.09 162.88,154.62 163.51,155.26 169.51,155.26 170.85,156.6 170.85,161.25 J401.15
  Bottom w0.203: v1(169.6,164.35) 169.6,162.5
/Video/VGA_DDC_SDA: length 43.8
  Top w0.203: 153.03,152.38 153.03,150.61 ; 153.05,152.4 153.05,154.04 155.85,156.84 155.85,161.1 158.35,163.6 161.65,163.6 J401.12 163.98,163.6 170.35,163.6 171.35,162.6 171.35,156.1 169.24,153.99 165.74,153.99 164.84,153.09
/Video/VGA_GRN: length 19.1
  Top w0.114: J401.2 161.82,158.35 159.85,158.35 159.38,157.88 159.38,151.47 162.24,148.61 U402.4 162.24,146.69 160.94,145.39 R402.1
/Video/VGA_HSYNC_BUF: length 25.4
  Top w0.203: J401.13 165.1,159.35 166.35,158.1 166.35,156.6 165.96,156.21 161.71,156.21 160.34,154.84 160.34,152.11 162.1,150.35 163.97,150.35 166.07,148.26 JP401.2
/Video/VGA_RED: length 14.2
  Top w0.114: J401.1 159.7,156.53 159.7,151.76 162.88,148.59 U402.5 162.88,144.83
/Video/VGA_VSYNC_BUF: length 23.9
  Top w0.203: J401.14 167.38,159.06 168.4,158.05 168.4,156.15 168.1,155.85 162.6,155.85 161.61,154.86 161.61,152.09 162.25,151.45 166.69,151.45 166.99,151.75 JP402.2
VDC: length 69.6
  Top w0.406: Q1302.2 225.74,47.94 226.69,48.89 237.81,48.89 238.12,48.58 U1301.2
  Top w0.61: 219.62,82 219.62,80.62 C1306.2 218.75,74.93 229.55,64.13 C1302.1 ; C1302.1 239.58,58.23 239.58,54.16 U1301.2 ; C1302.1 233.68,69.85 L1301.2
  Top w1.397: U1301.2 U1301.2
Net-(C810-Pad1): length 10.3
  Top w0.203: C813.2 112.16,140.93 ; 112.2,134.62 110.13,132.54 110.13,131.44
Net-(C811-Pad1): length 10.3
  Top w0.203: 114.53,140.93 C812.2 116.61,132.54 C811.1
Net-(C818-Pad2): length 3.1
  Top w0.203: R812.2 121.01,134.58
Net-(D301-A): length 2.4
  Top w0.406: D301.2 R308.2
Net-(D302-A): length 2.5
  Top w0.406: D302.2 R309.2
Net-(D303-A): length 2.5
  Top w0.406: D303.2 R310.2
Net-(D304-A): length 2.5
  Top w0.406: D304.2 R311.2
Net-(D1001-K): length 2.5
  Top w0.203: R1018.1 199.75,3.84
Net-(D1002-K): length 2.2
  Top w0.203: R1019.1 199.8,12.09
Net-(D1301-A): length 6.9
  Top w0.203: Q1301.1 218.76,139.26 217.96,138.46 D1301.2 215.53,136.52
Net-(D1301-K): length 146.2
  Top w0.203: D1301.1 221.46,138.58 220.66,139.38 Q1301.2
  Top w0.61: TP1301.1 233.68,80.96 C1301.1 233.68,92.71 242.57,101.6 242.57,151.13 239.08,154.62 239.08,166.69 237.11,168.65 227.56,168.65 225.51,166.61 225.51,147.95 226.06,147.41 226.06,144.14 225.42,143.51 222.25,143.51 220.66,141.92 Q1301.2 ; L1301.1 232.73,79.61
Net-(J401-Pad0): length 40.4
  Top w0.254: R404.2 148.74,163.51 J401.0
  Bottom w0.61: J401.0 177.35,163.33 174.62,166.05 154.94,166.05 152.36,163.47 J401.0
Net-(J902-EEPROM_ADDR0): length 3.7
  Top w0.406: NT901.1 J902.11
Net-(J902-EEPROM_ADDR1): length 1.8
  Top w0.406: J902.12 NT905.1
Net-(J902-EEPROM_ADDR2): length 3.7
  Top w0.406: NT909.1 J902.13
Net-(J903-EEPROM_ADDR0): length 3.9
  Top w0.406: NT902.1 J903.11
Net-(J903-EEPROM_ADDR1): length 3.7
  Top w0.406: NT906.1 J903.12
Net-(J903-EEPROM_ADDR2): length 3.7
  Top w0.406: NT910.1 J903.13
Net-(J904-EEPROM_ADDR0): length 3.7
  Top w0.406: NT903.1 J904.11
Net-(J904-EEPROM_ADDR1): length 3.7
  Top w0.406: J904.12 NT907.1
Net-(J904-EEPROM_ADDR2): length 3.7
  Top w0.406: NT911.1 J904.13
Net-(J905-EEPROM_ADDR0): length 3.7
  Top w0.406: NT904.1 J905.11
Net-(J905-EEPROM_ADDR1): length 3.7
  Top w0.406: J905.12 NT908.1
Net-(J905-EEPROM_ADDR2): length 3.7
  Top w0.406: J905.13 NT912.1
Net-(J1004-Pin_1): length 18.1
  Top w0.203: J1004.1 177.8,20.69 R1009.2 176.26,24.4
Net-(J1004-Pin_2): length 27.6
  Top w0.203: Q1001.3 179.07,27.88 179.07,5.72 J1004.2
Net-(J1005-Pin_1): length 18.5
  Top w0.203: 171.45,22.22 173.99,19.69 J1005.1 ; R1011.2 R1010.2
Net-(J1005-Pin_2): length 29.6
  Top w0.203: Q1002.3 171.39,28 172.12,27.27 174.59,27.27 175.26,26.61 175.26,5.72 J1005.2
Net-(J1302-Pin_3): length 14.6
  Top w0.61: J1301.1 220.32,157.98 J1302.4 J1302.3 224.11,146.69
Net-(JP201-A): length 25.5
  Top w0.61: 207.36,169.67 213.26,163.77 213.26,155.25 ; Q201.1 215.85,155.25 216.41,154.7 216.41,151 JP201.1
Net-(JP1001-B): length 21
  Top w0.203: 219.25,123.48 219.25,128.13 v1(222.88,131.76) ; 228.22,131.76 JP1001.2
  Bottom w0.203: v1(222.88,131.76) JP1001.2
Net-(JP1201-A): length 8.5
  Top w0.203: 139.72,60.96 139.72,63.81 ; U1201.8 139.58,57.91 ; 139.7,57.78 139.7,60.95
Net-(Q201-S): length 16.7
  Top w0.61: 213.26,153.35 212.41,153.35 210.35,155.41 210.35,164.14 207.36,167.13
Net-(Q1003-B): length 2
  Top w0.203: 188.92,12.38 190.91,12.38
Net-(Q1301-D): length 4.4
  Top w0.61: Q1301.3 219.71,144.14 219.07,144.78 F1301.1
Net-(Q1302-B): length 2.5
  Top w0.406: R1302.1 223.79,46.97
Net-(Q1302-C): length 5.5
  Top w0.406: Q1302.3 224.79,50.44 R1304.2 R1305.1
Net-(Q1303-B): length 2.5
  Top w0.406: R1303.1 223.79,39.65
Net-(Q1303-C): length 3.3
  Top w0.406: R1302.2 224.79,43.45 Q1303.3
Net-(R501-Pad2): length 4.8
  Top w0.203: R505.2 R509.1 R501.2
Net-(R502-Pad2): length 4.8
  Top w0.203: R506.2 R505.1 R502.2
Net-(R503-Pad2): length 4.8
  Top w0.203: R507.2 R506.1 R503.2
Net-(R504-Pad2): length 4
  Top w0.203: R504.2 R507.1 R508.2
Net-(R601-Pad2): length 4.8
  Top w0.203: R605.2 R609.1 R601.2
Net-(R602-Pad2): length 4.8
  Top w0.203: R606.2 R605.1 R602.2
Net-(R603-Pad2): length 4.8
  Top w0.203: R607.2 R606.1 R603.2
Net-(R604-Pad2): length 4
  Top w0.203: R604.2 R607.1 R608.2
Net-(R701-Pad2): length 4.8
  Top w0.203: R701.2 R709.1 R705.2
Net-(R702-Pad2): length 4.8
  Top w0.203: R706.2 R705.1 R702.2
Net-(R703-Pad2): length 4.8
  Top w0.203: R703.2 R706.1 R707.2
Net-(R704-Pad2): length 4
  Top w0.203: R708.2 R707.1 R704.2
Net-(R1005-Pad2): length 3.8
  Top w0.203: R1006.1 231.19,100.96
Net-(U201-GPIO18): length 6.3
  Top w0.203: U201.24 211.78,129.03
Net-(U201-GPIO19): length 7
  Top w0.203: U201.25 208.32,131.57 209.85,133.1 R204.1
Net-(U301-SO): length 15.5
  Top w0.203: U301.14 149.86,73.04 149.85,73.03 R301.1
Net-(U401-CH1_OUT): length 8.2
  Top w0.114: R401.2 162.56,141.88 162.56,138.11 162.26,137.82 160,137.82 159.38,138.43
Net-(U401-CH2_OUT): length 3.2
  Top w0.114: 160.66,142.22 U401.7
Net-(U401-CH3_OUT): length 7.6
  Top w0.114: R403.2 159.56,143.32 161.59,143.32 161.92,142.98 U401.6
Net-(U402-BYP): length 5.2
  Top w0.293: 167.96,146.37 C402.2
  Top w0.406: U402.8 164.78,147.64 165.42,147 167.64,147 167.96,146.69 C402.2
Net-(U801-MODE): length 7
  Top w0.203: R805.2 104.14,102.23 104.46,102.55 106.04,102.55 108.27,104.77 108.27,105.68
Net-(U801-XTI/MCK): length 10
  Top w0.203: 110.89,100.95 110.89,100.24 111.44,99.69 111.44,97.81 110.9,97.26 110.89,97.26 110.07,96.44 ; C817.1 110.89,102.15 110.22,102.82 U801.25
Net-(U801-XTO): length 7.3
  Top w0.203: U801.26 110.88,103.44 112.71,101.6 ; Y801.3 112.82,101.17
Net-(U801-~{CS}): length 8.1
  Top w0.203: 101.92,101.29 104.14,103.5 106.36,103.5 107.63,104.77 107.62,104.78 U801.21
Net-(U1201-X1): length 4.8
  Top w0.203: U1201.1 130.28,57.91 C1202.1 127.69,58.65
Net-(U1201-X2): length 4.4
  Top w0.203: U1201.2 129.56,56.64 ; 129.14,56.22 Y1201.2

## Copper pours and planes (outline as drawn; the poured copper is in the pictures)
+3V3 on Top: 211.74,56.39 211.14,56.39 211.14,52.39 212.14,52.39 212.14,46.59 207.74,46.59 207.74,52.39 208.94,52.39 208.94,58.59 211.74,58.59
+3V3 on Bottom: 243.84,0 0,0 0,171.45 243.84,171.45
+5V on Top: 240.98,16.19 236.54,16.19 236.54,20.64 238.76,20.64 238.76,24.76 236.22,24.76 236.22,36.19 240.98,36.19
GND on In1.Cu: 243.84,0 0,0 0,171.45 243.84,171.45
GND on In2.Cu: 243.84,0 0,0 0,171.45 243.84,171.45

## Text on the board
User.Comments: VGA_RED/VGA_BLU/VGA_GRN / routed as 75 ohms | VGA DAC on 0.25mm / grid to save space | JLC7628 Stackup / * Layer 1: Signal / Power / * Layer 2: Ground / * Layer 3: Ground / * Layer 4: Signal / Power / Outer Layer Impedances: / * 4.5 mil = 75 ohm / * 11.55 mil = 50 ohm / * 55 mil = 240mm @ 3A w/ 10 deg C rise / Grid: 12.5 mils
F.Silkscreen: GND | ~{IRQ} | SCL | A1 | ~{RESET} | 5V | 3V3 | Standby PSU | 3.3 | 0 | 5 | COPI | CIPO | CLK | ~{CS} | SDA | A0 | A2 | Case | CD In | Line Out | ~{IRQ0} | ~{IRQ1} | ~{IRQ2} | ~{IRQ3} | ~{IRQ4} | ~{IRQ5} | ~{IRQ6} | ~{IRQ7} | ~{CS0} | ~{CS1} | ~{CS2} | ~{CS3} | ~{CS4} | ~{CS5} | ~{CS6} | ~{CS7} | 3.3V | SWD | ~{RST} | GRN | YEL | ORA | N/C | BRN | SPI_CLK | SPI_COPI | SPI_CIPO | 5V0 | + | POWER | HDD | Neotron Pico: ${version} | https://neotron-compute.github.io | Copyright (C) Jonathan 'theJPster' Pallant, 2022 / CC-BY-SA | ON/OFF | RESET | Main 3.3V PSU | 12V In | BOOT0 | SPKR | PWRLED | HDDLED | JLCJLCJLCJLC | Main 5V PSU | BMC SWD | BMC UART | Audio CODEC | SD Card / (Slot 1) | RTC | Super / VGA | LEDs & Buttons | BMC / (Slot 0) | PSU | Slot 5 | Slot 4 | Slot 3 | Slot 2
